# KiCad board EBAZ4205.kicad_pcb (continued)
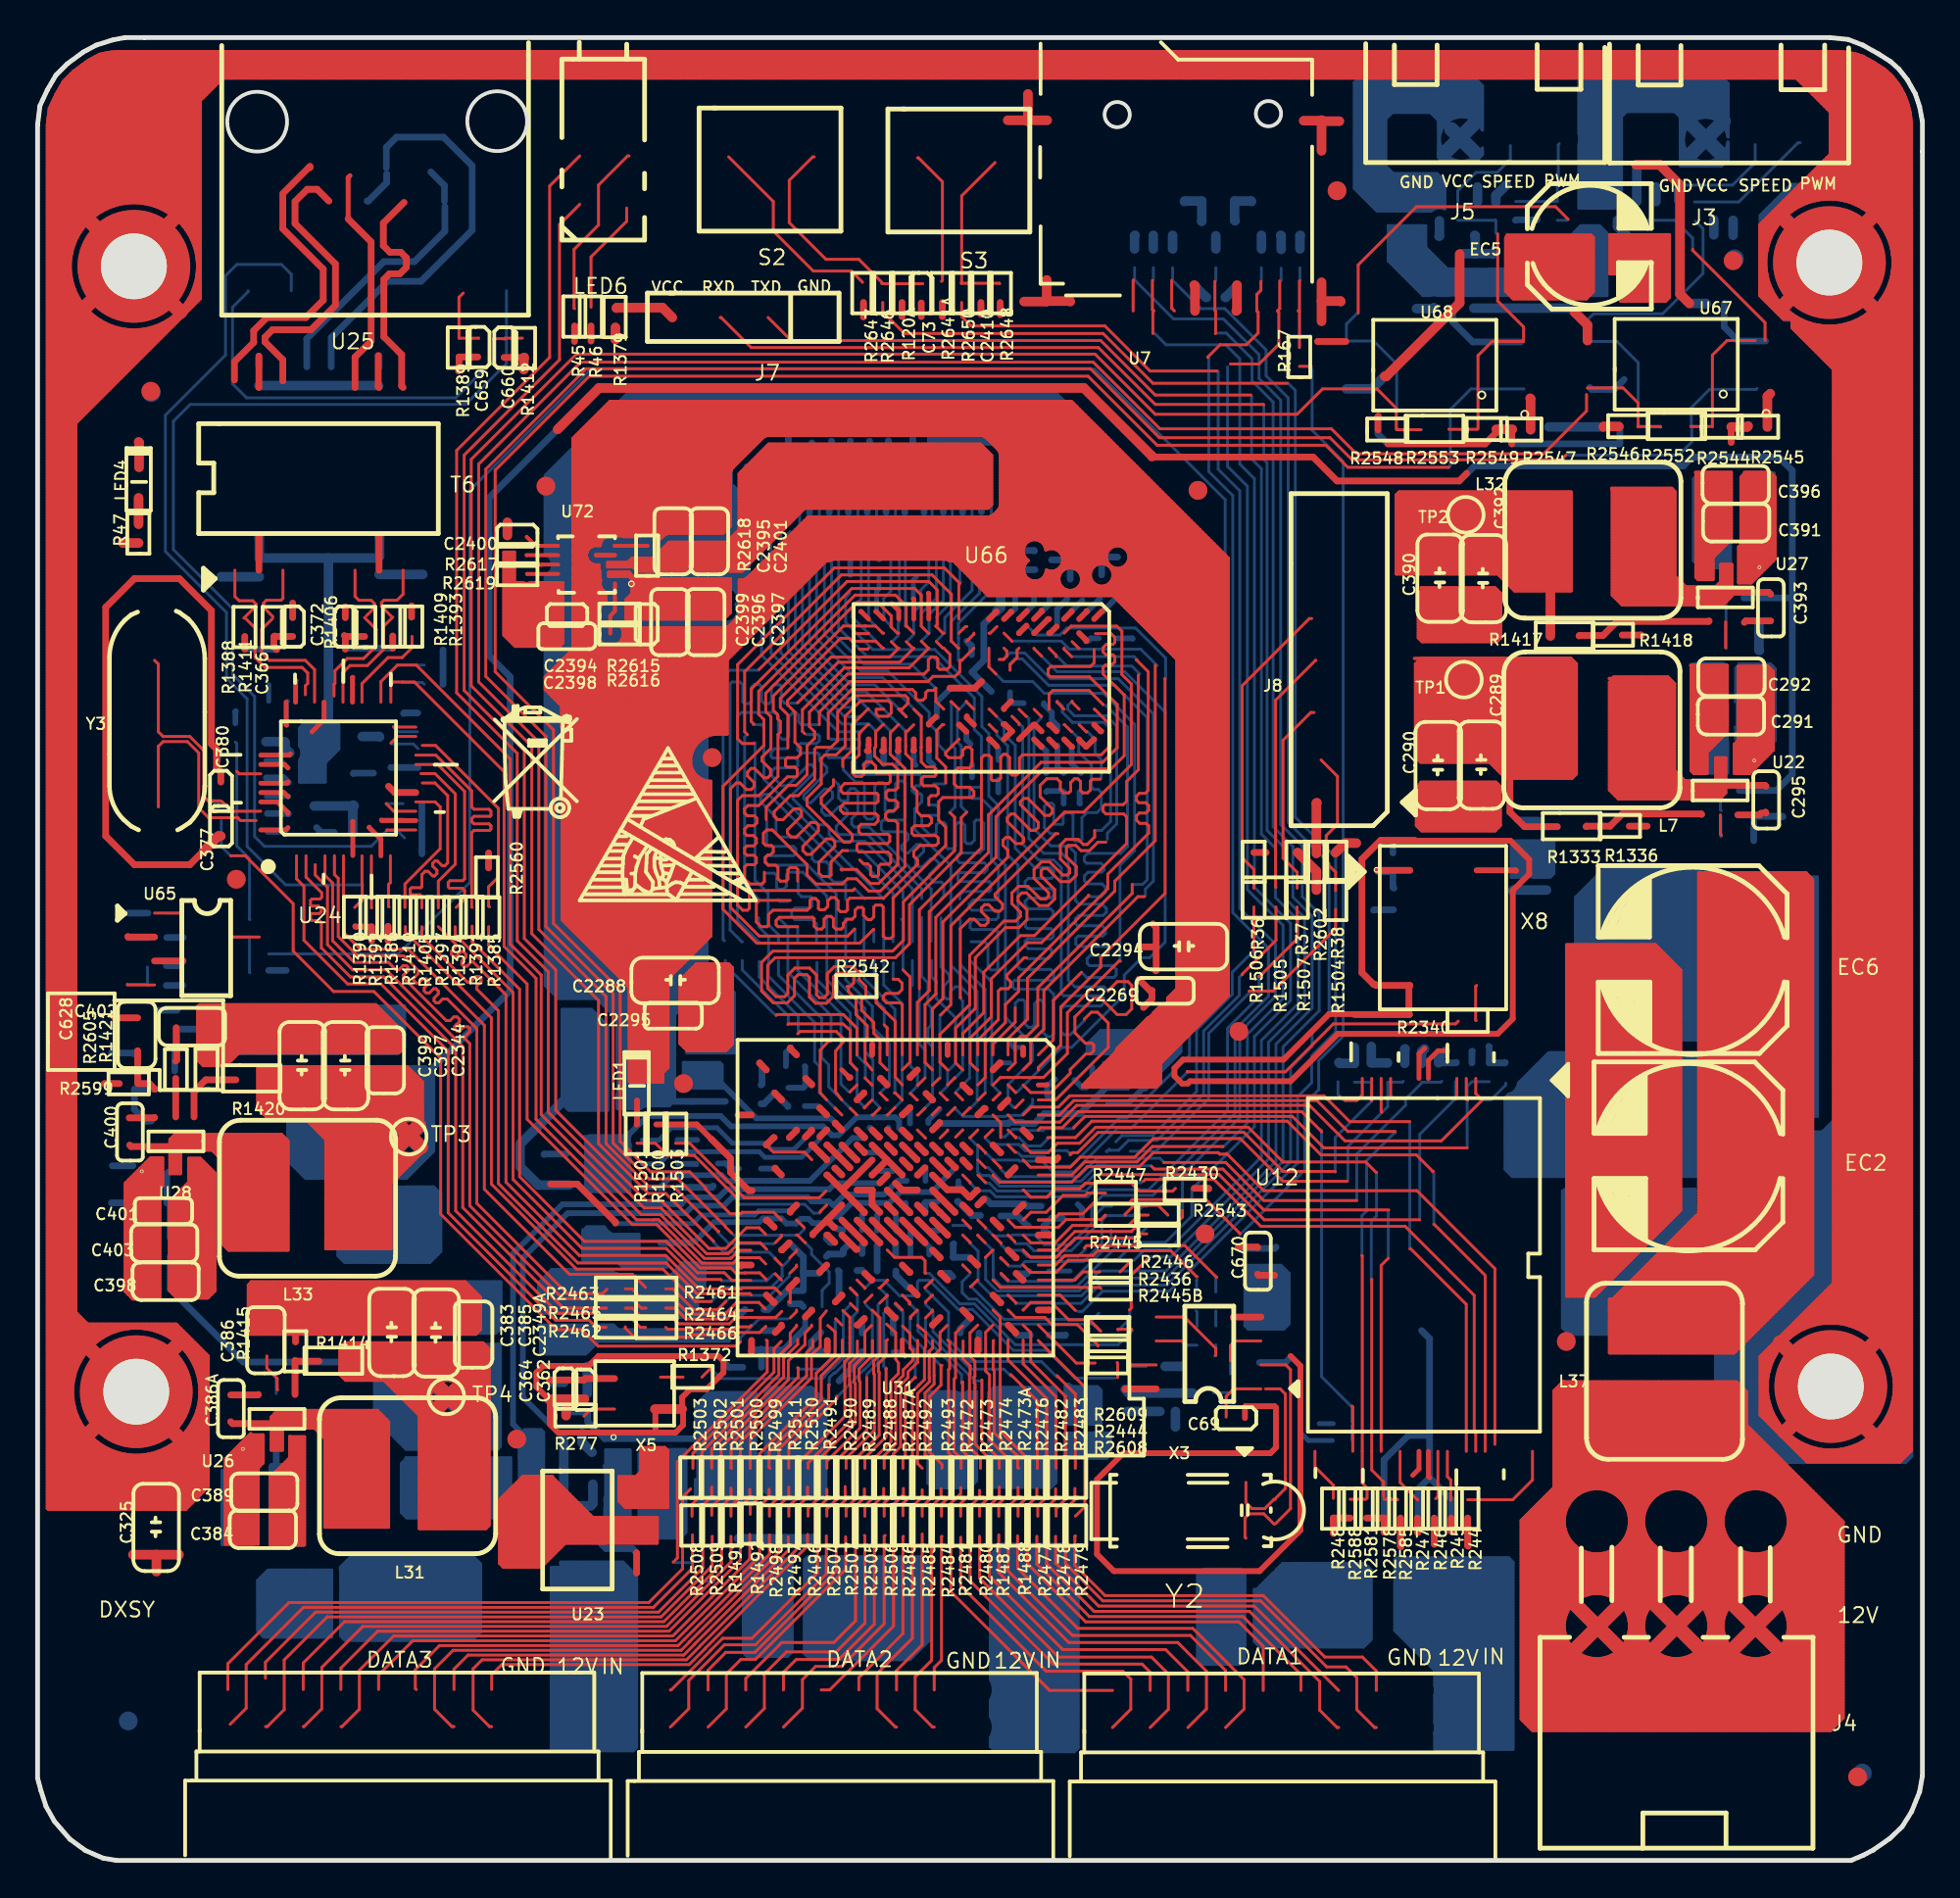
[diagram p0: board, top side]
## Routing (per net, layer and track width the routed paths; a pad name or vN(x,y) marks a point on that pad's centre or on a via; arc(x,y) is an arc through that point) (continued)
77.83,55.75 ; 90.95,57.86 90.95,63.56 ; 17.65,32.57 17.65,42.24 ; 12.4,19.02 14.2,19.02 ; 14.29,42.99 14.29,45.54 ; 7.05,36.85 7.6,36.85 ; 84.69,12.16 85.48,12.16 ; 84.49,17.19 85.68,17.19 ; 88.89,12.92 89.74,12.92 ; 31.97,16.89 31.97,18.24 ; 10,17.19 11.72,17.19 ; 7.28,30.08 7.28,35.33 ; 4.67,31.36 6.5,31.36 ; 48.58,71.98 48.58,75.38 ; 38.37,65.59 38.37,68.86 ; 80.28,6.92 80.28,19.42 ; 45.69,69.27 45.69,71.5 ; 20.09,39.34 20.09,41.82 ; 24.82,68.55 25.37,68.55 ; 88,59.25 89.1,59.25 ; 83.03,14.22 83.03,16.31 ; 88.67,18.99 88.67,25.47 ; 83.94,19.5 83.94,25.47 ; 15.97,32.57 15.97,42.24 ; 73.58,58.49 73.58,63.93 ; 48.89,69.03 48.89,71.5 ; 78.95,10.18 96.08,10.18 ; 12.4,20.39 14.2,20.39 ; 90.65,71.45 92.45,71.45 ; 42.18,71.98 42.18,75.38 ; 21.15,28.02 21.15,30.79 ; 87.46,33.5 94.45,33.5 ; 92.93,13.35 92.93,17.17 ; 31.49,42.49 33.54,42.49 ; 56.97,67.33 56.97,67.92 ; 86.7,32.74 94.45,32.74 ; 60.63,62 63.36,62 ; 34.72,48.11 34.72,65.6 ; 53.31,70.25 53.31,77.65 ; 25.01,65.04 27.94,65.04 ; 34.26,43.42 34.26,46.91 ; 88.21,66.83 88.21,67.78 ; 61.84,44.52 61.84,70.82 ; 28.49,73.12 36.86,73.12 ; 19.32,39.25 19.32,42.24 ; 18.1,25.57 18.1,27.54 ; 92.62,19.32 94.77,19.32 ; 94.76,6.92 94.76,19.33 ; 4.67,33.95 6.5,33.95 ; 35.94,70.64 35.94,77.65 ; 74.95,58.46 74.95,63.98 ; 11.72,41.12 20.47,41.12 ; 53.77,67.33 53.77,68.64 ; 10,20.85 11.72,20.85 ; 31.49,41.46 31.49,46.44 ; 49.65,71.98 49.65,75.38 ; 42.34,75.86 42.34,77.65 ; 81.81,30.04 81.81,48.74 ; 31.06,19.03 31.06,20.42 ; 90.5,63.37 92.27,63.37 ; 37.34,72.05 50.64,72.05 ; 28.01,63.98 36.76,63.98 ; 14.75,23.01 14.75,23.94 ; 84.4,83 84.4,86.53 ; 75.71,64.88 75.71,67.73 ; 54.53,68.64 54.53,69.03 ; 86.53,56.51 86.53,62.98 ; 30.48,70.52 30.98,70.52 ; 31.49,45.54 33.54,45.54 ; 80.7,21.31 92.79,21.31 ; 78.95,9.42 96.08,9.42 ; 27.92,56.81 35.82,56.81 ; 24.82,68.4 25.37,68.4 ; 73.33,60.47 81.88,60.47 ; 88.4,46.3 94.45,46.3 ; 33.95,47.35 33.95,65.6 ; 29.1,48.89 35.49,48.89 ; 33.95,66.08 33.95,68.21 ; 47.67,71.98 47.67,75.38 ; 60.63,54.83 63.36,54.83 ; 76.93,64.88 76.93,67.73 ; 13.23,23.02 13.23,23.94 ; 73.33,60.62 81.88,60.62 ; 14.9,42.99 14.9,45.54 ; 83.94,56.7 83.94,62.98 ; 89.89,70.09 89.89,73.88 ; 73.33,59.1 81.88,59.1 ; 11.4,42.99 11.4,45.54 ; 73.33,60.93 81.88,60.93 ; 5.64,37 6.65,37 ; 28.16,16.89 28.16,19.62 ; 28.98,76.17 56.5,76.17 ; 35.78,70.64 35.78,77.65 ; 19.78,37.03 19.78,37.61 ; 44.62,75.86 44.62,77.65 ; 79.37,7.11 79.37,18.51 ; 84.72,30.75 94.01,30.75 ; 22.57,25.12 24.02,25.12 ; 13.23,16.79 13.23,21.23 ; 20.32,22.07 24.02,22.07 ; 4.67,35.48 6.5,35.48 ; 72.31,69.01 81.6,69.01 ; 88.25,73.73 90.13,73.73 ; 73.48,54.99 77.73,54.99 ; 60.63,54.99 63.36,54.99 ; 93.15,17.8 96.08,17.8 ; 58.56,44.32 61.64,44.32 ; 47.52,69.27 47.52,71.5 ; 51.24,74.34 58.32,74.34 ; 31.32,65.6 36.52,65.6 ; 28.51,68.55 29.91,68.55 ; 15.35,34.41 18.79,34.41 ; 55.9,67.33 55.9,76.76 ; 24.66,15.76 24.66,19.26 ; 27.02,62.45 36.69,62.45 ; 60.63,51.18 63.36,51.18 ; 16.28,25.69 16.28,27.45 ; 81.38,32.13 84.94,32.13 ; 81.38,47.52 87.3,47.52 ; 41.27,71.98 41.27,75.38 ; 8.52,43.1 19.33,43.1 ; 72.31,72.05 81.6,72.05 ; 56.51,69.02 56.51,76.16 ; 76.63,68.48 76.63,72.83 ; 83.68,84.55 86.83,84.55 ; 85.47,6.92 85.47,12.3 ; 24.82,67.79 27.94,67.79 ; 88.4,47.82 94.45,47.82 ; 26.49,64.63 26.49,68.01 ; 15.35,35.63 18.79,35.63 ; 20.32,21.15 24.02,21.15 ; 35.78,49.18 35.78,57.44 ; 86.08,56.51 86.08,62.98 ; 27.35,62 36.69,62 ; 89.58,6.92 89.58,25.47 ; 94.3,31.05 94.3,52.36 ; 19.63,28.02 19.63,30.79 ; 78.13,85.62 82.78,85.62 ; 83.8,71.6 87.13,71.6 ; 14.9,22.86 14.9,23.94 ; 60.63,60.32 63.36,60.32 ; 12.92,32.49 12.92,38.64 ; 84.09,84.45 84.09,86.53 ; 45.54,71.98 45.54,75.38 ; 87.6,19.75 87.6,25.47 ; 86.69,14.14 83.48,14.14 83.48,16.38 ; 27.25,64.63 27.25,68.01 ; 59.37,45.08 62.4,45.08 ; 13.42,21.46 14.2,21.46 ; 37.35,67.03 39.81,67.03 ; 78.3,67.88 78.3,72.83 ; 31.49,44.47 33.54,44.47 ; 78.3,57.61 78.3,63.98 ; 83.8,70.99 87.13,70.99 ; 7.05,37.76 7.6,37.76 ; 81.38,38.98 87.43,38.98 ; 88.36,27.02 88.36,34.4 ; 56.66,67.33 56.66,67.82 ; 92.32,59.08 92.32,63.31 ; 60.63,56.2 63.36,56.2 ; 42.79,71.98 42.79,75.38 ; 77.24,64.88 77.24,67.73 ; 40.96,71.98 40.96,75.38 ; 14.93,22.83 18.67,22.83 ; 31.08,46.91 33.54,46.91 ; 38.98,75.86 38.98,77.65 ; 73.58,54.89 73.58,57.28 ; 83.64,30.82 83.64,48.74 ; 18.26,28.02 18.26,30.79 ; 73.48,67.03 77.85,67.03 ; 23.9,17.72 23.9,27.34 ; 94.61,6.92 94.61,19.49 ; 55.3,68.7 56.08,68.7 ; 81.13,25.42 90.45,25.42 ; 90.3,58.03 91.28,58.03 ; 88.36,66.83 88.36,67.78 ; 86.23,83 86.23,86.53 ; 10,16.89 11.72,16.89 ; 27.92,52.7 35.82,52.7 ; 84.09,13.81 84.09,16.71 ; 24.59,16.12 27.3,16.12 ; 81.38,46.45 87.43,46.45 ; 83.98,56.66 89.65,56.66 ; 10.09,21.46 12,21.46 ; 90.5,60.32 92.35,60.32 ; 88.67,57.86 88.67,63.61 ; 83.65,58.19 87.1,58.19 ; 81.81,57.76 81.81,63.75 ; 88,61.69 89.9,61.69 ; 7.02,34.11 9.42,34.11 ; 88,58.03 88.83,58.03 ; 83.33,19.76 83.33,25.47 ; 57.44,43.19 59.08,44.84 ; 88.4,38.22 94.45,38.22 ; 78.95,15.51 96.08,15.51 ; 58.91,65.65 63.36,65.65 ; 7.02,33.65 9.42,33.65 ; 80.7,24.81 90.93,24.81 ; 78.95,14.14 82.47,14.14 ; 60.63,54.68 63.36,54.68 ; 73.73,54.81 73.73,57.38 ; 12.62,32.49 12.62,38.64 ; 40.81,68.03 40.81,71.3 ; 32.58,41.44 32.58,65.6 ; 12.4,17.8 14.2,17.8 ; 7.02,32.74 9.42,32.74 ; 10.24,21.61 12,21.61 ; 28.49,71.6 36.86,71.6 ; 43.1,75.86 43.1,77.65 ; 83.8,68.09 87.39,68.09 ; 13.45,22.54 14.2,22.54 14.2,16.79 12.4,16.79 12.4,20.39 13.42,21.42 13.42,22.57 ; 59.79,45.54 62.86,45.54 ; 78.95,13.23 81.4,13.23 ; 8.05,36.55 9.42,36.55 ; 58.26,44.01 61.33,44.01 ; 19.17,24.84 19.17,27.54 ; 88.5,16.89 90.13,16.89 ; 88.4,36.39 94.45,36.39 ; 9.9,34.87 13.32,34.87 ; 57.14,68.09 63.36,68.09 ; 38.83,69.31 52.58,69.31 ; 20.32,20.39 24.02,20.39 ; 81.38,35.63 87.43,35.63 ; 8.05,37.81 8.05,38.64 ; 10.18,42.47 10.18,45.54 ; 90.04,67.19 90.04,68.98 ; 49.52,68.4 52.55,68.4 ; 20.32,22.52 24.02,22.52 ; 80.7,24.2 90.93,24.2 ; 20.09,23.93 20.09,27.54 ; 56.97,41.17 56.97,42.6 ; 31.49,44.93 33.54,44.93 ; 92.32,6.92 92.32,10.98 ; 31.97,68.63 31.97,69.31 ; 72.31,71.14 81.6,71.14 ; 12.62,21.84 12.62,23.77 ; 83.8,67.48 90.15,67.48 ; 81.38,46.76 87.43,46.76 ; 88.25,71.75 90.13,71.75 ; 34.41,47.81 34.41,65.6 ; 81.38,30.91 83.72,30.91 ; 28.79,49.19 35.8,49.19 ; 88.4,50.41 94.45,50.41 ; 31.64,67.94 36.87,67.94 ; 84.66,12.01 85.52,12.01 ; 57.54,67.03 63.36,67.03 ; 16.12,28.02 16.12,30.79 ; 31.49,42.79 33.54,42.79 ; 84.25,84.36 84.25,86.53 ; 28.49,75.41 38.26,75.41 ; 42.95,69.27 42.95,71.5 ; 88.82,57.86 88.82,63.61 ; 90.65,70.38 92.45,70.38 ; 88,60.62 89.9,60.62 ; 89.28,56.51 89.28,57.46 ; 55.18,67.64 63.36,67.64 ; 22.52,28.02 22.52,30.79 ; 20.32,20.7 24.02,20.7 ; 28.49,66.11 29.81,66.11 ; 88.4,41.12 94.45,41.12 ; 7.02,34.41 9.42,34.41 ; 81.38,35.48 87.43,35.48 ; 43.86,71.98 43.86,75.38 ; 34.56,43.12 34.56,47.21 ; 24.82,65.96 27.94,65.96 ; 27.92,58.95 34.81,58.95 ; 4.67,31.67 6.5,31.67 ; 74.04,68.48 74.04,72.83 ; 27.55,61.8 27.55,63.52 ; 24.85,65.2 27.94,65.2 ; 37.15,74.3 37.15,77.65 ; 37.46,64.68 37.46,68.15 ; 84.55,66.83 84.55,73.03 ; 60.63,50.11 63.36,50.11 ; 53.92,69.83 53.92,77.65 ; 60.17,42.85 60.17,45.92 ; 20.32,19.78 24.02,19.78 ; 12.77,32.49 12.77,38.64 ; 87.29,66.83 87.29,68.19 ; 88.06,13.99 90.56,13.99 ; 17.19,25.57 17.19,27.54 ; 82.87,19.79 82.87,25.47 ; 89.43,66.83 89.43,67.91 ; 17.04,25.57 17.04,27.54 ; 92.78,13.57 92.78,16.95 ; 43.4,75.86 43.4,77.65 ; 58.49,41.17 58.49,44.24 ; 83.68,86.23 86.83,86.23 ; 32.89,70.49 32.89,77.65 ; 76.93,54.81 76.93,57.38 ; 29.99,66.8 29.99,67.73 ; 78.95,11.09 81.91,11.09 ; 37.35,67.94 40.72,67.94 ; 84.86,32.04 84.86,48.74 ; 79.73,18.87 81.43,18.87 ; 88.92,12.77 89.71,12.77 ; 40.2,71.37 40.2,75.38 ; 24.88,19.48 28.31,19.48 ; 84.09,6.92 84.09,11.14 ; 76.47,58.46 76.47,63.98 ; 83.79,72.97 87.01,72.97 ; 28.49,69.64 28.49,69.81 ; 85.31,66.83 85.31,73.03 ; 78.15,57.61 78.15,63.98 ; 88.4,40.51 94.45,40.51 ; 72.31,69.92 81.6,69.92 ; 60.63,49.8 63.36,49.8 ; 27.92,56.05 35.82,56.05 ; 36.24,70.64 36.24,77.65 ; 7.44,36.56 7.44,38.64 ; 36.85,64.07 36.85,65.73 ; 15.06,28.02 15.06,30.79 ; 60.63,60.02 63.36,60.02 ; 60.62,43.3 60.62,46.38 ; 92.02,68.85 92.02,73.88 ; 88.93,18.26 89.69,18.26 ; 88.4,45.84 94.45,45.84 ; 83.67,56.97 89.83,56.97 ; 92.51,13.84 96.08,13.84 ; 83.65,61.39 87.1,61.39 ; 81.38,45.84 87.43,45.84 ; 90.5,60.47 92.35,60.47 ; 88.4,40.05 94.45,40.05 ; 94.46,6.92 94.46,19.64 ; 86.23,19.5 86.23,25.47 ; 78.13,85.31 82.78,85.31 ; 84.25,84.25 86.83,84.25 ; 11.22,29.54 23.57,29.54 ; 29.9,77.08 55.58,77.08 ; 89.58,68.7 90.15,68.7 ; 80.7,22.37 91.72,22.37 ; 84.25,83.03 86.65,83.03 ; 81.38,43.25 87.43,43.25 ; 54.23,69.77 57.01,69.77 ; 12.47,39.49 12.47,42.24 ; 12.16,39.6 12.16,42.24 ; 10.18,32.49 10.18,38.64 ; 88.25,72.21 90.13,72.21 ; 27.92,59.71 35.38,59.71 ; 13.38,28.02 13.38,30.79 ; 62.91,45.59 62.91,69.75 ; 87.41,19.78 91.22,19.78 ; 92.87,19.02 95.08,19.02 ; 88.4,45.69 94.45,45.69 ; 86.99,6.92 86.99,10.74 ; 81.38,42.79 87.43,42.79 ; 8.52,44.93 18.61,44.93 ; 50.57,75.66 50.57,77.65 ; 83.65,60.78 87.1,60.78 ; 56.24,41.88 59.76,41.88 ; 20.54,28.02 20.54,30.79 ; 12.01,39.75 12.01,42.24 ; 78.95,9.57 96.08,9.57 ; 83.68,84.7 86.83,84.7 ; 61.69,44.37 61.69,70.97 ; 43.4,71.98 43.4,75.38 ; 75.86,54.81 75.86,57.38 ; 73.48,66.26 77.85,66.26 ; 37.34,71.9 40.74,71.9 ; 77.54,64.88 77.54,67.73 ; 10.64,42.93 10.64,45.54 ; 75.56,54.81 75.56,57.38 ; 81.38,37 87.43,37 ; 93.09,18.56 95.53,18.56 ; 83.65,58.03 87.1,58.03 ; 84.55,27.02 84.55,30.59 ; 33.19,68.63 33.19,69.73 ; 56.51,67.33 56.51,67.83 ; 78.95,13.08 81.34,13.08 ; 7.74,37.81 7.74,38.64 ; 22.07,28.02 22.07,30.79 ; 33.34,68.63 33.34,69.89 ; 11.25,16.84 11.25,22.62 ; 84.61,13.08 85.56,13.08 ; 21.91,25.56 21.91,27.54 ; 5.18,36.55 6.65,36.55 ; 73.61,63.96 73.33,63.68 73.33,58.73 73.61,58.46 77.28,58.46 78.13,57.61 81.65,57.61 81.88,57.83 81.88,63.68 81.58,63.98 73.61,63.98 ; 38.67,69.16 41.94,69.16 ; 74.34,64.88 74.34,67.73 ; 88.4,37 94.45,37 ; 7.22,30.14 9.25,30.14 ; 57.31,42.95 60.27,42.95 ; 83.8,72.51 87.13,72.51 ; 33.65,66.08 33.65,68.21 ; 81.38,40.81 87.43,40.81 ; 13.84,42.99 13.84,45.54 ; 73.33,62.45 81.88,62.45 ; 30.14,47.85 30.14,64.69 ; 44.62,69.27 44.62,71.5 ; 30.05,77.24 55.43,77.24 ; 87.14,6.92 87.14,10.73 ; 83.65,60.17 87.1,60.17 ; 40.2,70.68 61.98,70.68 ; 84.86,56.51 84.86,62.98 ; 80.74,83.13 80.74,86.5 ; 84.25,83.64 86.83,83.64 ; 12.45,22.37 13.02,22.37 ; 88.4,42.79 94.45,42.79 ; 80.89,6.92 80.89,25.18 ; 80.13,83.13 80.13,86.5 ; 60.63,58.49 63.36,58.49 ; 4.67,33.65 6.5,33.65 ; 90.95,19.73 90.95,23.14 ; 52.55,69.01 52.55,69.36 ; 79.34,7.13 95.61,7.13 ; 23.59,17.67 23.59,27.54 ; 15.35,38.37 18.92,38.37 ; 31.17,65.35 38.13,65.35 ; 81.2,83.13 81.2,86.5 ; 15.06,22.71 15.06,23.94 ; 25.49,20.09 27.7,20.09 ; 73.52,65.04 77.82,65.04 ; 30.6,70.52 30.6,77.65 ; 83.65,58.49 87.1,58.49 ; 18.71,42.99 18.71,44.82 ; 84.52,18.87 85.66,18.87 ; 91.63,19.78 94.31,19.78 ; 78.13,86.23 82.78,86.23 ; 72.31,69.77 81.6,69.77 ; 24.59,18.87 28.92,18.87 ; 31.97,18.79 31.97,20.55 ; 54.22,69.77 54.22,77.65 ; 88.4,43.56 94.45,43.56 ; 81.38,40.66 87.43,40.66 ; 78.95,12.01 81.29,12.01 ; 88.25,72.66 90.13,72.66 ; 60.63,59.41 63.36,59.41 ; 88,60.78 89.9,60.78 ; 88,58.64 88.83,58.64 ; 90.19,19.28 90.19,25.47 ; 13.84,23.02 13.84,23.94 ; 27.4,63.37 36.69,63.37 ; 75.86,58.46 75.86,63.98 ; 85.92,83 85.92,86.53 ; 90.8,27.54 90.8,52.56 ; 84.09,31.28 84.09,48.74 ; 89.28,27.02 89.28,52.56 ; 80.7,20.24 93.86,20.24 ; 51.24,74.04 58.63,74.04 ; 28.47,49.52 28.47,64.43 ; 82.72,19.78 82.72,25.47 ; 7.02,32.13 9.42,32.13 ; 30.32,47.67 34.27,47.67 ; 31.52,70.47 31.52,77.65 ; 81.35,57.61 81.35,63.98 ; 72.31,70.38 81.6,70.38 ; 77.85,57.89 77.85,63.98 ; 17.8,42.99 17.8,45.54 ; 18.26,25.57 18.26,27.54 ; 80.59,83.13 80.59,86.5 ; 86.53,83 86.53,86.53 ; 11.22,29.08 23.57,29.08 ; 49.5,71.98 49.5,75.38 ; 90.34,6.92 90.34,11.11 ; 37.75,68.24 41.03,68.24 ; 88.4,45.54 94.45,45.54 ; 51.23,72.05 60.61,72.05 ; 88.06,27.02 88.06,34.09 ; 20.32,21 24.02,21 ; 46.76,71.98 46.76,75.38 ; 16.32,27.54 23.69,27.54 24.02,27.22 24.02,17.84 23.84,17.67 20.32,17.67 20.32,23.69 18.44,25.57 16.4,25.57 16.1,25.87 16.1,27.27 16.32,27.49 ; 88.4,50.11 94.45,50.11 ; 29.86,48.13 34.73,48.13 ; 58.08,69.46 63.2,69.46 ; 30.75,16.89 30.75,18.24 ; 88.4,34.87 94.45,34.87 ; 37.61,68.78 37.61,74.08 ; 24.81,69.62 25.37,69.62 ; 86.53,19.66 86.53,25.47 ; 47.52,71.98 47.52,75.38 ; 88.4,44.93 94.45,44.93 ; 25.18,19.78 28.01,19.78 ; 8.2,37.81 8.2,38.64 ; 81.38,48.28 86.53,48.28 ; 12.85,20.85 14.2,20.85 ; 39.9,75.86 39.9,77.65 ; 78.95,13.84 81.89,13.84 ; 4.67,35.02 6.5,35.02 ; 91.41,6.92 91.41,10.73 ; 88.27,11.09 90.36,11.09 ; 81.5,30.04 81.5,48.74 ; 83.65,28.47 91.73,28.47 ; 83.71,19.63 86.46,19.63 ; 14.75,28.02 14.75,30.79 ; 18.71,28.02 18.71,30.79 ; 74.8,68.48 74.8,72.83 ; 73.48,67.18 77.85,67.18 ; 51.02,67.33 51.02,71.76 ; 14.45,42.99 14.45,45.54 ; 26.18,15.62 26.18,20.44 ; 85.16,32.35 85.16,48.74 ; 79.22,67.58 79.22,72.83 ; 80.03,19.17 81.64,19.17 ; 36.24,43.11 36.24,47.71 ; 84.68,18.41 85.49,18.41 ; 84.12,16.73 86.06,16.73 ; 75.25,58.46 75.25,63.98 ; 87.9,19.65 87.9,25.47 ; 80.7,22.68 91.42,22.68 ; 12.16,42.99 12.16,45.54 ; 81.66,13.62 81.66,16.91 ; 81.38,34.11 86.92,34.11 ; 4.67,30.3 6.5,30.3 ; 7.13,36.56 7.13,38.45 ; 90.65,14.04 90.65,16.49 ; 9.57,37.54 9.57,38.64 ; 87.29,19.79 87.29,25.47 ; 84.7,27.02 84.7,30.74 ; 60.44,64.13 63.36,64.13 ; 31.49,41.88 33.27,41.88 ; 10,19.17 11.72,19.17 ; 35.02,70.64 35.02,77.65 ; 27.92,59.86 35.67,59.86 ; 35.48,68.63 35.48,70.16 ; 27.89,60.33 27.89,61.46 27.02,62.33 27.02,62.98 28.49,64.46 28.49,67.81 ; 22.83,28.02 22.83,30.71 ; 56.36,67.33 56.36,67.88 ; 24.59,17.5 32.97,17.5 ; 20.32,20.85 24.02,20.85 ; 37.34,72.97 50.76,72.97 ; 88.4,46.91 94.45,46.91 ; 60.63,57.73 63.36,57.73 ; 86.84,27.02 86.84,32.88 ; 10,20.7 11.72,20.7 ; 88.82,66.83 88.82,67.78 ; 78.95,10.33 96.08,10.33 ; 37.32,66.26 39.05,66.26 ; 16.89,25.57 16.89,27.54 ; 90.5,62.91 92.35,62.91 ; 73.48,65.81 77.85,65.81 ; 93.06,11.86 96.08,11.86 ; 7.37,29.99 9.1,29.99 ; 31.49,46.3 33.54,46.3 ; 31.49,44.78 33.54,44.78 ; 91.26,58.01 91.26,63.56 ; 86.99,14.21 86.99,16.32 ; 20.32,21.46 24.02,21.46 ; 88.4,35.63 94.45,35.63 ; 4.67,32.28 6.5,32.28 ; 60.63,59.1 63.36,59.1 ; 34.41,43.27 34.41,47.06 ; 32.43,18.79 32.43,21.97 ; 53.67,68.55 54.45,68.55 ; 85.01,56.51 85.01,62.98 ; 80.7,20.54 93.55,20.54 ; 60.63,58.34 63.36,58.34 ; 44.17,75.86 44.17,77.65 ; 78.95,8.96 96.08,8.96 ; 28.49,66.57 29.84,66.57 ; 74.49,64.88 74.49,67.73 ; 12.45,23.13 18.67,23.13 ; 78.13,83.79 82.78,83.79 ; 91.26,19.79 91.26,22.84 ; 51.24,72.66 60,72.66 ; 49.5,75.86 49.5,77.65 ; 85.92,6.92 85.92,11.29 ; 78.95,13.38 81.48,13.38 ; 59.41,65.16 59.41,73.26 ; 32.28,16.89 32.28,18.24 ; 12.45,22.22 13.02,22.22 ; 47.21,69.27 47.21,71.5 ; 22.07,25.52 22.07,27.54 ; 9.9,33.5 13.32,33.5 ; 11.22,30.45 23.09,30.45 ; 44.32,69.27 44.32,71.5 ; 33.06,70.28 33.27,70.5 ; 8.52,43.56 19.42,43.56 ; 95.52,7.05 95.52,18.57 ; 57.8,43.56 60.88,43.56 ; 90.3,58.8 92.04,58.8 ; 9.5,37.61 13.32,37.61 ; 50.85,71.6 61.07,71.6 ; 35.63,66.08 35.63,68.21 ; 72.97,68.48 72.97,72.83 ; 77.85,68.34 77.85,72.83 ; 44.01,75.86 44.01,77.65 ; 73.33,58.95 81.88,58.95 ; 30.47,47.52 34.12,47.52 ; 88.4,46.6 94.45,46.6 ; 93.16,12.31 96.08,12.31 ; 89.58,59.74 89.58,63.61 ; 15.3,19.78 18.67,19.78 ; 28.49,70.99 36.81,70.99 ; 92.93,18.93 92.93,21.16 ; 9.9,34.56 13.32,34.56 ; 27.92,59.41 35.05,59.41 ; 24.59,17.95 32.97,17.95 ; 88.37,34.41 94.45,34.41 ; 82.42,6.92 82.42,10.82 ; 28.49,74.95 37.8,74.95 ; 83.65,58.64 87.1,58.64 ; 89.12,68.18 89.12,73.88 ; 26.94,15.77 26.94,20.44 ; 88.94,12.62 89.69,12.62 ; 24.96,65.09 24.96,69.63 ; 86.24,32.28 94.45,32.28 ; 20.85,17.67 20.85,27.54 ; 15.35,37.92 19.13,37.92 ; 76.47,64.88 76.47,67.73 ; 89.73,69.94 89.73,73.88 ; 60.28,64.28 63.36,64.28 ; 40.36,67.57 40.36,70.84 ; 22.37,25.36 22.37,27.54 ; 44.17,71.98 44.17,75.38 ; 84.72,12.47 85.46,12.47 ; 79.06,7.41 79.06,18.2 ; 32.58,16.89 32.58,18.24 ; 27.86,16.69 27.86,19.93 ; 9.9,33.04 13.32,33.04 ; 15.35,34.87 18.79,34.87 ; 85.62,27.02 85.62,31.66 ; 27.92,53.61 35.82,53.61 ; 73.33,61.08 81.88,61.08 ; 27.71,16.53 27.71,20.08 ; 91.87,28.61 91.87,52.56 ; 90.65,72.36 92.45,72.36 ; 60.63,50.87 63.36,50.87 ; 10.94,16.84 10.94,22.31 ; 92.02,58.78 92.02,63.56 ; 34.19,43.86 36.97,43.86 ; 83.68,85.31 86.83,85.31 ; 15.3,21.61 18.67,21.61 ; 27.1,15.92 27.1,20.44 ; 12.4,18.87 14.2,18.87 ; 90.5,61.84 92.35,61.84 ; 19.78,24.23 19.78,27.54 ; 14.75,42.99 14.75,45.54 ; 34.19,43.56 36.97,43.56 ; 15.35,32.74 18.79,32.74 ; 29.69,69.99 29.69,76.87 ; 92.81,13.53 96.08,13.53 ; 31.2,70.47 31.99,70.47 ; 81.38,42.49 87.43,42.49 ; 32.12,21.31 33.52,21.31 ; 92.17,6.92 92.17,10.9 ; 32.13,70.56 32.13,77.65 ; 60.63,48.59 63.36,48.59 ; 30.39,68.4 31.63,68.4 ; 15.3,18.26 18.67,18.26 ; 36.86,73.81 36.86,71.03 36.47,70.64 33.62,70.64 ; 5.33,36.7 6.65,36.7 ; 19.17,28.02 19.17,30.79 ; 30.3,16.89 30.3,18.24 ; 60.93,43.61 60.93,71.74 ; 88.4,39.14 94.45,39.14 ; 78.95,16.28 96.08,16.28 ; 15.3,18.11 18.67,18.11 ; 35.02,68.63 35.02,70.16 ; 82.27,19.64 82.27,25.47 ; 90.53,68.85 92.02,68.85 ; 21.31,28.02 21.31,30.79 ; 31.12,65.04 37.83,65.04 ; 29.53,16.89 29.53,18.25 ; 56.51,41.17 56.51,42.15 ; 24.82,65.65 27.94,65.65 ; 34.19,45.54 36.97,45.54 ; 88,58.34 88.83,58.34 ; 88.4,36.24 94.45,36.24 ; 73.33,62.76 81.88,62.76 ; 79.67,57.61 79.67,63.98 ; 43.86,69.27 43.86,71.5 ; 12.01,42.99 12.01,45.54 ; 38.83,66.05 38.83,69.32 ; 19.35,24.66 20.91,24.66 ; 56.36,68.97 56.36,76.31 ; 13.69,42.99 13.69,45.54 ; 27.92,51.18 35.82,51.18 ; 84.36,13.53 85.81,13.53 ; 11.72,40.05 20.47,40.05 ; 35.33,70.64 35.33,77.65 ; 31.32,66.72 36.87,66.72 ; 31.32,66.42 36.85,66.42 36.85,68.21 ; 88.4,49.96 94.45,49.96 ; 26.94,64.63 26.94,68.01 ; 15.35,32.89 18.79,32.89 ; 17.8,25.57 17.8,27.54 ; 12.75,23.9 18.12,23.9 ; 32.12,21 33.52,21 ; 13.99,28.02 13.99,30.79 ; 89.73,12.9 89.73,17.63 ; 60.47,64.1 60.47,72.19 ; 80.7,24.66 90.93,24.66 ; 47.82,71.98 47.82,75.38 ; 76.32,68.48 76.32,72.83 ; 84.17,19.32 86.01,19.32 ; 29.84,48.15 29.84,65.02 ; 79.19,7.28 95.76,7.28 ; 60.63,52.4 63.36,52.4 ; 35.48,66.08 35.48,68.21 ; 10.08,32.58 13.32,32.58 ; 27.92,55.29 35.82,55.29 ; 39.44,75.86 39.44,77.65 ; 15.09,22.68 18.67,22.68 ; 60.63,50.72 63.36,50.72 ; 73.33,61.84 81.88,61.84 ; 57.73,41.17 57.73,43.48 ; 32.12,21.92 33.42,21.92 ; 83.18,14.21 83.18,16.32 ; 93.12,17.65 96.08,17.65 ; 36.85,43.35 36.85,47.63 ; 88.4,38.98 94.45,38.98 ; 37.34,71.75 40.58,71.75 ; 29.4,48.59 35.19,48.59 ; 55.55,68.09 56.11,68.09 ; 30.45,47.54 30.45,64.61 ; 25.03,19.63 28.16,19.63 ; 81.35,83.13 81.35,86.5 ; 88.4,51.18 94.45,51.18 ; 31.36,68.36 31.36,68.56 ; 9.9,32.89 13.32,32.89 ; 90.19,6.92 90.19,11.24 ; 37.42,73.88 50.76,73.88 ; 78.95,16.12 96.08,16.12 ; 9.9,35.02 13.32,35.02 ; 41.73,75.86 41.73,77.65 ; 34.87,68.63 34.87,70.16 ; 89.89,13.29 89.89,17.23 ; 83.94,84.45 83.94,86.53 ; 31.64,67.48 36.87,67.48 ; 51.94,67.33 51.94,77.65 ; 34.72,68.63 34.72,70.16 ; 14.75,38.98 14.75,42.24 ; 34.87,48.26 34.87,58 ; 88.21,6.92 88.21,11.05 ; 11.86,39.9 11.86,42.24 ; 24.72,19.32 28.46,19.32 ; 24.82,67.94 27.94,67.94 ; 81.38,34.72 87.43,34.72 ; 81.38,39.44 87.43,39.44 ; 58.72,44.47 61.79,44.47 ; 44.93,69.27 44.93,71.5 ; 48.89,71.98 48.89,75.38 ; 84.86,6.92 84.86,25.47 ; 78.95,10.94 82.14,10.94 ; 35.63,43.11 35.63,47.71 ; 88.31,68.24 89.15,68.24 ; 77.08,58.46 77.08,63.98 ; 83.65,58.8 87.1,58.8 ; 43.4,69.27 43.4,71.5 ; 93.85,6.92 93.85,20.25 ; 17.34,25.57 17.34,27.54 ; 57.88,41.17 57.88,43.63 ; 21.91,28.02 21.91,30.79 ; 46.3,75.86 46.3,77.65 ; 90.3,59.25 92.35,59.25 ; 89.58,68.09 90.15,68.09 ; 21.61,28.02 21.61,30.79 ; 20.32,20.24 24.02,20.24 ; 81.05,83.13 81.05,86.5 ; 27.92,53 35.82,53 ; 88.4,42.34 94.45,42.34 ; 31.49,42.34 33.54,42.34 ; 73.33,59.86 81.88,59.86 ; 6.07,29.89 6.07,37.39 ; 84.72,18.11 85.46,18.11 ; 31.52,41.44 33.27,41.44 33.27,41.94 33.54,42.21 33.54,46.94 35.82,49.21 35.82,57.43 ; 15.35,33.35 18.79,33.35 ; 19.17,36.42 19.17,37.87 ; 45.69,75.86 45.69,77.65 ; 91.87,58.62 91.87,63.56 ; 11.72,41.57 20.33,41.57 ; 31.49,43.56 33.54,43.56 ; 89.58,27.02 89.58,52.56 ; 15.51,28.02 15.51,30.79 ; 56.05,68.63 56.05,76.61 ; 60.63,55.29 63.36,55.29 ; 13.16,21.15 14.2,21.15 ; 87.71,14.14 90.92,14.14 ; 37.92,75.06 37.92,77.65 ; 48.89,75.86 48.89,77.65 ; 54.38,67.33 54.38,67.99 ; 15.82,28.02 15.82,30.79 